# KiCad board CameraBoard.kicad_pcb
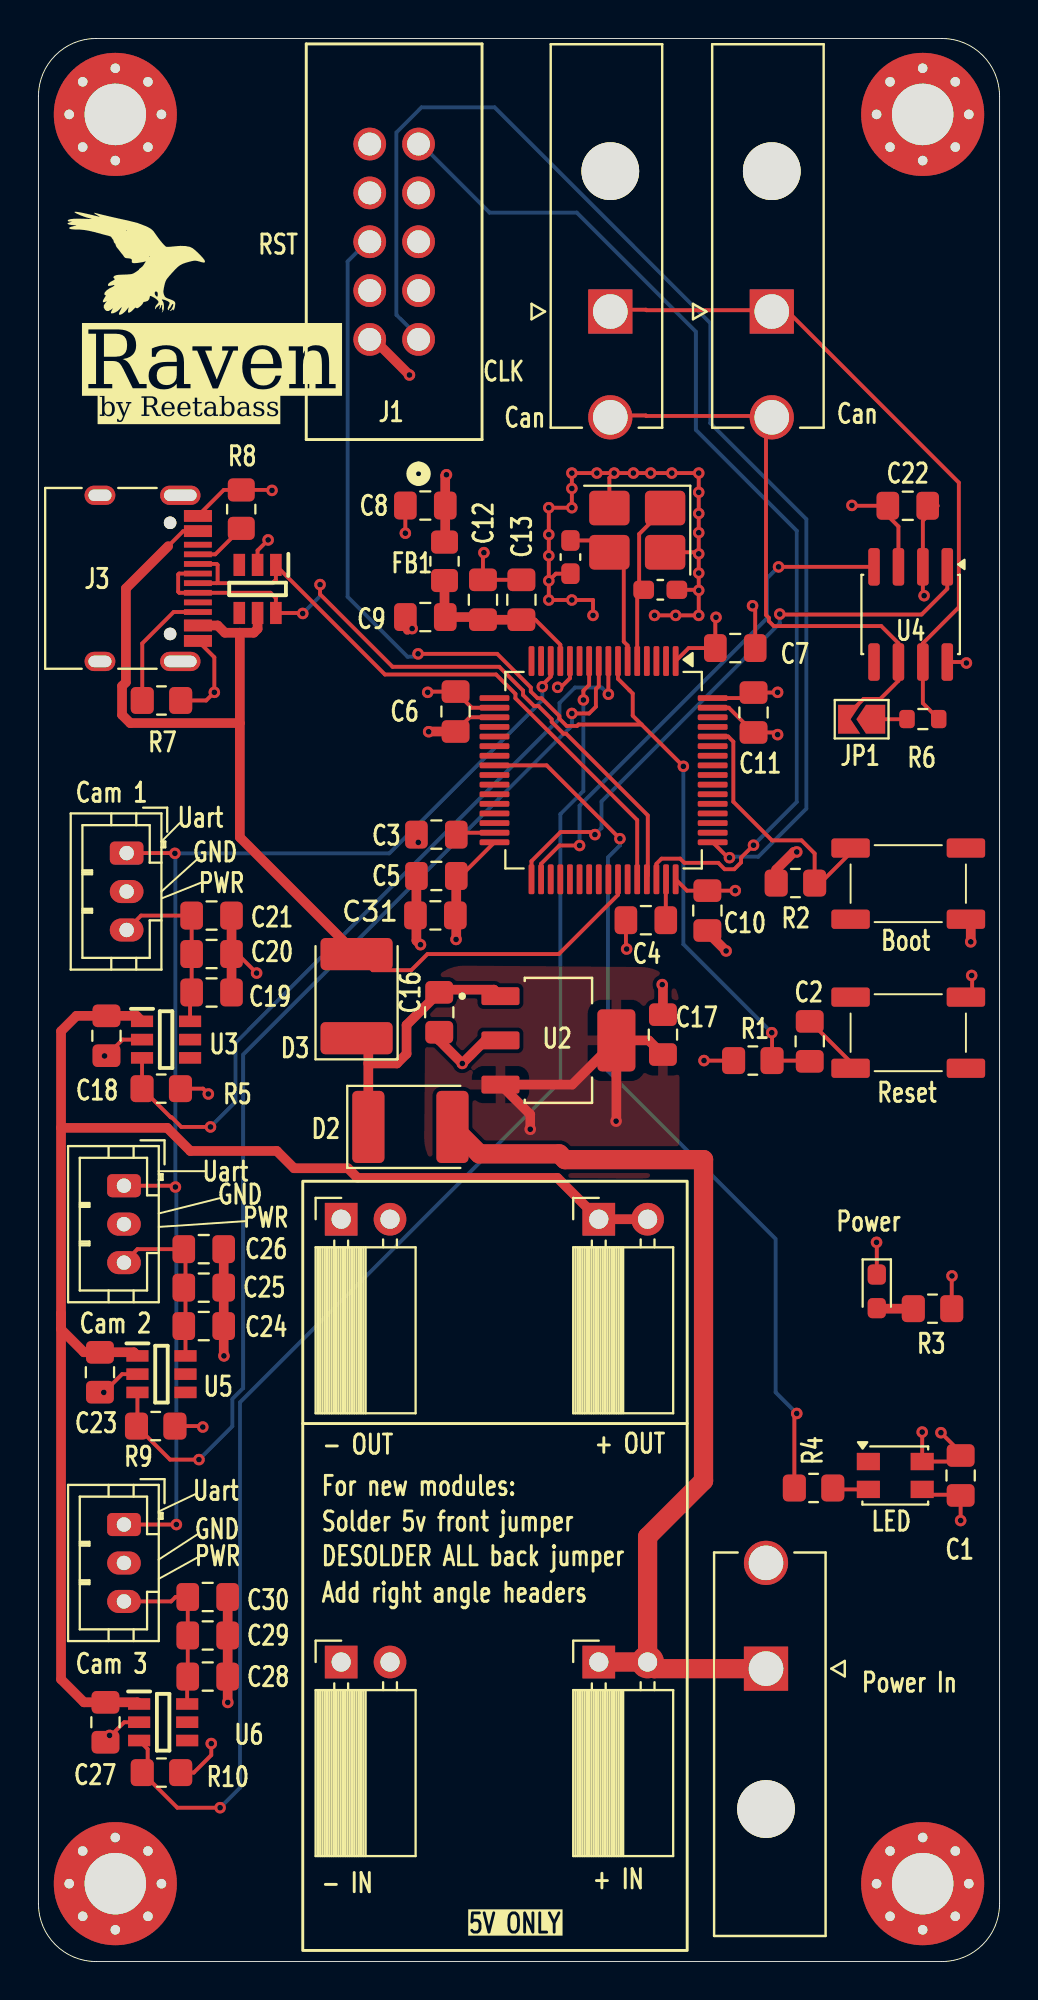
[diagram p0: board, top side]
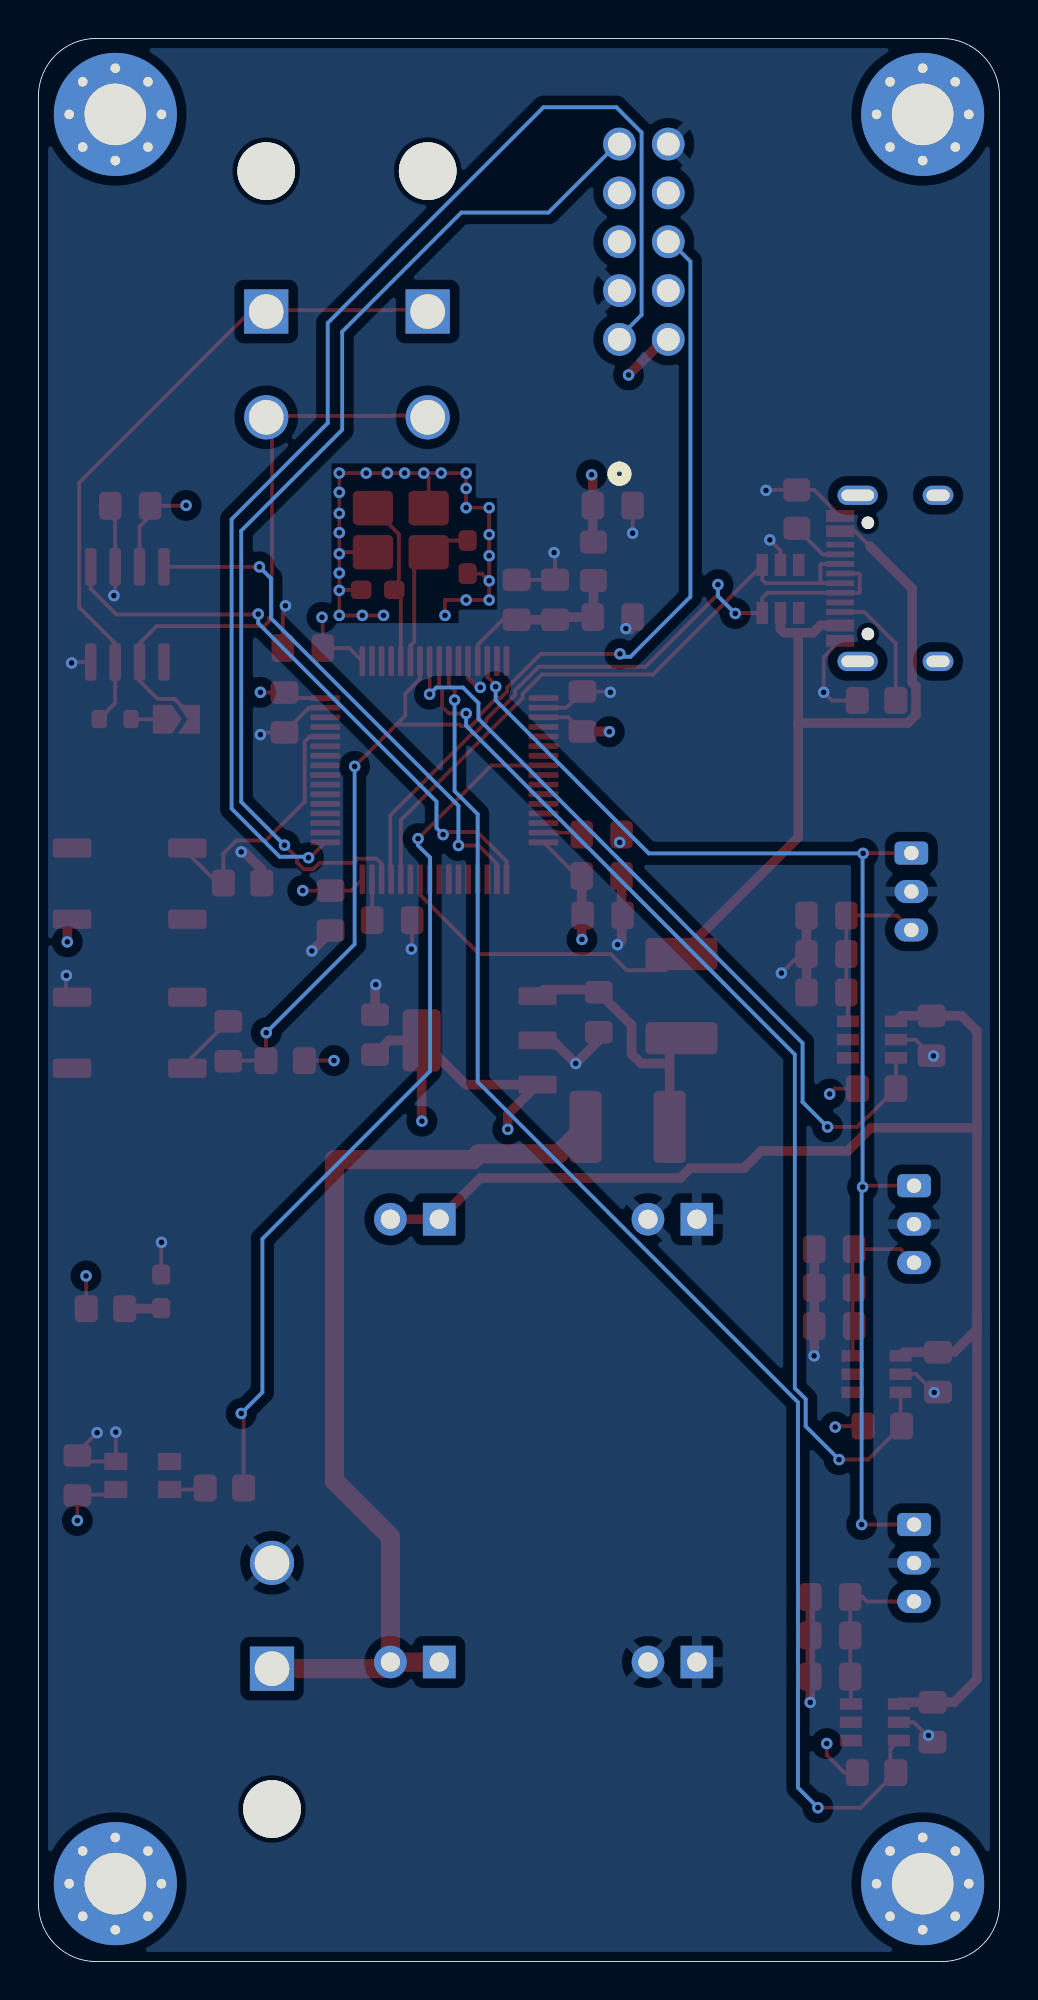
[diagram p1: board, bottom side, seen from below]

Outline 50 x 100 mm; copper layers: Top, In1.Cu, In2.Cu, Bottom. Coordinates in mm from the lower left corner of the outline.
Outline path: 0,97 arc(0.88,99.12) 3,100 47,100 arc(49.12,99.12) 50,97 50,3 arc(49.12,0.88) 47,0 3,0 arc(0.88,0.88) 0,3 0,97
Stack: Top 0.035mm / dielectric 0.1mm FR4 er 4.5 / In1.Cu 0.035mm / dielectric 1.24mm FR4 er 4.5 / In2.Cu 0.035mm / dielectric 0.1mm FR4 er 4.5 / Bottom 0.035mm

## Placement (name value [footprint] x y rotation side)
BootSwitch1  -  [SAMZO G4R0015010]  45.25 56.05 180 top
C1  100nf  [C_0805_2012Metric_Pad1.18x1.45mm_HandSolder]  47.97 25.27 270 top
C2  100nf  [C_0805_2012Metric_Pad1.18x1.45mm_HandSolder]  40.12 47.85 90 top
C3  2.2uf  [C_0805_2012Metric_Pad1.18x1.45mm_HandSolder]  20.7 58.6 180 top
C4  2.2uf  [C_0805_2012Metric_Pad1.18x1.45mm_HandSolder]  31.6 54.15 180 top
C5  100nf  [C_0805_2012Metric_Pad1.18x1.45mm_HandSolder]  20.7 56.45 180 top
C6  100nf  [C_0805_2012Metric_Pad1.18x1.45mm_HandSolder]  21.7 65 90 top
C7  100nf  [C_0805_2012Metric_Pad1.18x1.45mm_HandSolder]  36.25 68.3 0 top
C8  1uf  [C_0805_2012Metric_Pad1.18x1.45mm_HandSolder]  20.12 75.71 0 top
C9  100nf  [C_0805_2012Metric_Pad1.18x1.45mm_HandSolder]  20.12 69.91 0 top
C10  100nf  [C_0805_2012Metric_Pad1.18x1.45mm_HandSolder]  34.8 54.65 270 top
C11  100nf  [C_0805_2012Metric_Pad1.18x1.45mm_HandSolder]  37.2 64.95 270 top
C12  1uf  [C_0805_2012Metric_Pad1.18x1.45mm_HandSolder]  23.12 70.81 90 top
C13  100nf  [C_0805_2012Metric_Pad1.18x1.45mm_HandSolder]  25.12 70.81 90 top
C14  18p  [C_0603_1608Metric_Pad1.08x0.95mm_HandSolder]  32.35 71.33 0 top
C15  18p  [C_0603_1608Metric_Pad1.08x0.95mm_HandSolder]  27.68 73.03 270 top
C16  100nf  [C_0805_2012Metric_Pad1.18x1.45mm_HandSolder]  20.85 49.36 270 top
C17  10u  [C_0805_2012Metric_Pad1.18x1.45mm_HandSolder]  32.49 48.2 90 top
C18  1uf  [C_0805_2012Metric_Pad1.18x1.45mm_HandSolder]  3.54 48.14 270 top
C19  1uf  [C_0805_2012Metric_Pad1.18x1.45mm_HandSolder]  9.01 50.39 0 top
C20  47uf  [C_0805_2012Metric_Pad1.18x1.45mm_HandSolder]  9.01 52.39 0 top
C21  100nf  [C_0805_2012Metric_Pad1.18x1.45mm_HandSolder]  9.01 54.39 0 top
C22  100nf  [C_0805_2012Metric_Pad1.18x1.45mm_HandSolder]  45.22 75.7 0 top
C23  1uf  [C_0805_2012Metric_Pad1.18x1.45mm_HandSolder]  3.2 30.64 270 top
C24  1uf  [C_0805_2012Metric_Pad1.18x1.45mm_HandSolder]  8.6 33.04 0 top
C25  47uf  [C_0805_2012Metric_Pad1.18x1.45mm_HandSolder]  8.6 35.04 0 top
C26  100nf  [C_0805_2012Metric_Pad1.18x1.45mm_HandSolder]  8.6 37.04 0 top
C27  1uf  [C_0805_2012Metric_Pad1.18x1.45mm_HandSolder]  3.49 12.44 270 top
C28  1uf  [C_0805_2012Metric_Pad1.18x1.45mm_HandSolder]  8.81 14.82 0 top
C29  47uf  [C_0805_2012Metric_Pad1.18x1.45mm_HandSolder]  8.81 16.96 0 top
C30  100nf  [C_0805_2012Metric_Pad1.18x1.45mm_HandSolder]  8.81 18.96 0 top
C31  4.7u  [C_0805_2012Metric_Pad1.18x1.45mm_HandSolder]  20.65 54.4 180 top
Cam1  Conn_01x03  [JST_PH_B3B-PH-K_1x03_P2.00mm_Vertical]  4.59 57.64 270 top
Cam2  Conn_01x03  [JST_PH_B3B-PH-K_1x03_P2.00mm_Vertical]  4.45 40.34 270 top
Cam3  Conn_01x03  [JST_PH_B3B-PH-K_1x03_P2.00mm_Vertical]  4.45 22.72 270 top
CAN_IN1  2 pin Molex  [MOLEX_26013114]  38.15 85.8 180 top
CAN_OUT1  2 pin Molex  [MOLEX_26013114]  29.75 85.8 180 top
D1  NeoPixel_THT  [LED_Kingbright_AAA3528ESGCT]  44.58 25.27 0 top
D2  D_Schottky  [D_2114_3652Metric]  19.35 43.4 0 top
D3  D_Schottky  [D_2114_3652Metric]  16.55 50.2 90 top
D4  SRV05-4.TCT  [SOT95P280X145-6N]  11.4 71.38 270 top
FB1  FerriteBead  [R_0805_2012Metric_Pad1.20x1.40mm_HandSolder]  21.12 72.81 270 top
G***  -  [LOGO]  5.85 87.9 0 top
J1  Microsemi_FlashPro-JTAG-10  [CONN_7024610XX_MOL]  19.77 84.35 90 top
J3  USB_C_Receptacle_USB2.0_16P  [USB_C_Receptacle_HRO_TYPE-C-31-M-12]  4.25 71.92 270 top
J_BUCK_IN_A1  ~  [PinSocket_1x02_P2.54mm_Horizontal]  15.75 15.57 90 top
J_BUCK_IN_B1  ~  [PinSocket_1x02_P2.54mm_Horizontal]  29.15 15.57 90 top
J_BUCK_OUT_A1  ~  [PinSocket_1x02_P2.54mm_Horizontal]  15.75 38.6 90 top
J_BUCK_OUT_B1  ~  [PinSocket_1x02_P2.54mm_Horizontal]  29.15 38.6 90 top
JP1  SolderJumper_2_Open  [SolderJumper-2_P1.3mm_Open_TrianglePad1.0x1.5mm]  42.83 64.6 180 top
PowerIn1  2 pin Molex  [MOLEX_26013114]  37.85 15.23 0 top
PowerLED1  RLED  [LED_0603_1608Metric_Pad1.05x0.95mm_HandSolder]  43.61 34.85 270 top
R1  10kr  [R_0805_2012Metric_Pad1.20x1.40mm_HandSolder]  37.16 46.85 0 top
R2  100kr  [R_0805_2012Metric_Pad1.20x1.40mm_HandSolder]  39.38 56.08 0 top
R3  1kr  [R_0805_2012Metric_Pad1.20x1.40mm_HandSolder]  46.51 33.95 0 top
R4  330r  [R_0805_2012Metric_Pad1.20x1.40mm_HandSolder]  40.33 24.62 180 top
R5  100kr  [R_0805_2012Metric_Pad1.20x1.40mm_HandSolder]  6.39 45.39 0 top
R6  120r  [R_0603_1608Metric]  46.01 64.61 180 top
R7  5.1kr  [R_0805_2012Metric_Pad1.20x1.40mm_HandSolder]  6.4 65.57 0 top
R8  5.1kr  [R_0805_2012Metric_Pad1.20x1.40mm_HandSolder]  10.55 75.52 90 top
R9  100kr  [R_0805_2012Metric_Pad1.20x1.40mm_HandSolder]  6.1 27.84 0 top
R10  100kr  [R_0805_2012Metric_Pad1.20x1.40mm_HandSolder]  6.4 9.82 0 top
REF**  -  [MountingHole_3.2mm_M3_Pad_Via]  4 4.05 270 top
REF**#2  -  [MountingHole_3.2mm_M3_Pad_Via]  46 4.05 270 top
REF**#3  -  [MountingHole_3.2mm_M3_Pad_Via]  46 96.05 270 top
REF**#4  -  [MountingHole_3.2mm_M3_Pad_Via]  4 96.05 270 top
RSTSwitch1  -  [SAMZO G4R0015010]  45.25 48.3 180 top
U1  STM32F405RGT6  [LQFP-64_10x10mm_P0.5mm]  29.4 61.95 270 top
U2  LDL1117-3.3  [SOT230P700X180-4N]  27.05 47.9 0 top
U3  TPS22917DBVR  [SOT95P280X145-6N]  6.64 47.94 0 top
U4  SN65HVD230  [SOIC-8_3.9x4.9mm_P1.27mm]  45.38 70.05 270 top
U5  TPS22917DBVR  [SOT95P280X145-6N]  6.4 30.54 0 top
U6  TPS22917DBVR  [SOT95P280X145-6N]  6.49 12.44 0 top
Y1  8mhz  [Crystal_SMD_3225-4Pin_3.2x2.5mm_HandSoldering]  31.15 74.43 180 top

## Library data of the parts
BootSwitch1 RSTSwitch1 = -: Description: Push button switch, generic, symbol, four pins; LCSC: C49393646
C1 C2 C5-C7 C9-C11 C13 C21 C26 C30 C31 = -: Description: Unpolarized capacitor; LCSC: C49678; ki_fp_filters: C_*
C3 C4 = -: Description: Unpolarized capacitor; LCSC: C19110; ki_fp_filters: C_*
C8 C12 C18 C19 C23 C24 C27 C28 = -: Description: Unpolarized capacitor; LCSC: C28323; ki_fp_filters: C_*
C14 C15 = -: Description: Unpolarized capacitor; LCSC Part: C1647; LCSC: C53084486; ki_fp_filters: C_*
C16 = -: Description: Unpolarized capacitor; LCSC Part: C28323; LCSC: C49678; ki_fp_filters: C_*
C17 = -: Description: Unpolarized capacitor; LCSC Part: C98192; LCSC: C98192; ki_fp_filters: C_*
C20 C25 C29 = -: Description: Unpolarized capacitor; LCSC: C16780; ki_fp_filters: C_*
C22 = -: Description: Unpolarized capacitor; lcsc: C6565120; LCSC: C49678; ki_fp_filters: C_*
Cam1-Cam3 = -: Description: Generic connector, single row, 01x03, script generated (kicad-library-utils/schlib/autogen/connector/); LCSC: C131339; ki_fp_filters: Connector*:*_1x??_*
CAN_IN1 CAN_OUT1 PowerIn1 = -: Description: Generic connector, single row, 01x02, script generated (kicad-library-utils/schlib/autogen/connector/); LCSC: C17644051; ki_fp_filters: Connector*:*_1x??_*
D1 = -: Datasheet: https://www.adafruit.com/product/1938; Description: RGB LED with integrated controller, 5mm/8mm LED package; LCSC: C2827321; ki_fp_filters: LED*D5.0mm* LED*D8.0mm*
D2 D3 = -: Description: Schottky diode; LCSC: C113936; LCSC Part: C113936; ki_fp_filters: TO-???* *_Diode_* *SingleDiode* D_*
D4 = -: MANUFACTURER_NAME: SEMTECH; MF: UMW; MOUSER_PRICE-STOCK: https://www.mouser.com/Search/Refine.aspx?Keyword=947-SRV05-4.TCT; DESCRIPTION: Semtech SRV05-4.TCT, Uni-Directional TVS Diode Array, 300W, 6-Pin SOT-23; MOUSER_PART_NUMBER: 947-SRV05-4.TCT; Price: None; Package: None; Check_prices: https://www.snapeda.com/parts/SRV05-4.TCT/UMW/view-part/?ref=eda; HEIGHT: 1.45mm; SnapEDA_Link: https://www.snapeda.com/parts/SRV05-4.TCT/UMW/view-part/?ref=snap; Description_1: ESD Suppressors / TVS Diodes SOT-23 5V 4DIODE Low Capacitance; Availability: In Stock; LCSC: C13612
FB1 = -: Description: Ferrite bead; LCSC: C85840; ki_fp_filters: Inductor_* L_* *Ferrite*
J1 = -: Datasheet: https://www.microsemi.com/document-portal/doc_view/129973-lpf-ac386-an; Description: ACTEL FLASH PRO 3/4, JTAG, IDC10 Pinheader Connector; LCSC: C588426; ki_fp_filters: IDC?Header*2x05* Pin?Header*2x05*
J3 = -: Datasheet: https://www.usb.org/sites/default/files/documents/usb_type-c.zip; Description: USB 2.0-only 16P Type-C Receptacle connector; LCSC: C165948; ki_fp_filters: USB*C*Receptacle*
J_BUCK_IN_A1 J_BUCK_IN_B1 J_BUCK_OUT_A1 J_BUCK_OUT_B1 = -: Description: Generic connector, single row, 01x02, script generated (kicad-library-utils/schlib/autogen/connector/); ki_fp_filters: Connector*:*_1x??_*
JP1 = -: Description: Solder Jumper, 2-pole, open; ki_fp_filters: SolderJumper*Open*
PowerLED1 = -: Description: Light emitting diode; Sim.Pins: 1=K 2=A; LCSC: C965799; ki_fp_filters: LED* LED_SMD:* LED_THT:*
R1 = -: Description: Resistor; LCSC: C84376; ki_fp_filters: R_*
R2 R5 R9 R10 = -: Description: Resistor; LCSC: C96346; ki_fp_filters: R_*
R3 = -: Description: Resistor; LCSC: C95781; ki_fp_filters: R_*
R4 = -: Description: Resistor; LCSC: C17630; ki_fp_filters: R_*
R6 = -: Description: Resistor; lcsc: C4353191; LCSC: C114245; ki_fp_filters: R_*
R7 R8 = -: Description: Resistor; LCSC: C27834; ki_fp_filters: R_*
U1 = -: Datasheet: https://www.st.com/resource/en/datasheet/stm32f405rg.pdf; Description: STMicroelectronics Arm Cortex-M4 MCU, 1024KB flash, 192KB RAM, 168 MHz, 1.8-3.6V, 51 GPIO, LQFP64; LCSC: C15742; ki_fp_filters: LQFP*10x10mm*P0.5mm*
U2 = -: LCSC: C435835; LCSC Part: C435835
U3 U5 U6 = -: PARTREV: B; STANDARD: IPC 7351B; MAXIMUM_PACKAGE_HEIGHT: 1.45mm; MANUFACTURER: Texas Instruments; LCSC: C2681320
U4 = -: Datasheet: http://www.ti.com/lit/ds/symlink/sn65hvd230.pdf; Description: CAN Bus Transceivers, 3.3V, 1Mbps, Low-Power capabilities, SOIC-8; lcsc: C12084; LCSC: C1543812; ki_fp_filters: SOIC*3.9x4.9mm*P1.27mm*
Y1 = -: Description: Four pin crystal, GND on pins 2 and 4; LCSC Part: C19723344; LCSC: C49158084; ki_fp_filters: Crystal*

## Footprints (pads in the part's own frame, mm; a bottom-side part is the same pattern mirrored in y, then rotated)
C_0603_1608Metric_Pad1.08x0.95mm_HandSolder
  rrect 1.075x0.95 smd: 1(-0.863,0) 2(0.863,0)
C_0805_2012Metric_Pad1.18x1.45mm_HandSolder
  rrect 1.175x1.45 smd: 1(-1.038,0) 2(1.038,0)
CONN_7024610XX_MOL
  round 1.702 hole 1.194: 1(0,0) 2(2.54,0) 3(5.08,0) 4(7.62,0) 5(10.16,0) 6(0,2.54) 7(2.54,2.54) 8(5.08,2.54) 9(7.62,2.54) 10(10.16,2.54)
Crystal_SMD_3225-4Pin_3.2x2.5mm_HandSoldering
  rrect 2.1x1.8 smd: 1(-1.45,-1.15) 2(1.45,-1.15) 3(1.45,1.15) 4(-1.45,1.15)
D_2114_3652Metric
  rrect 1.675x3.75 smd: 1(-2.188,0) 2(2.188,0)
JST_PH_B3B-PH-K_1x03_P2.00mm_Vertical
  rrect 1.2x1.75 hole 0.75: 1(0,0)
  oval 1.2x1.75 hole 0.75: 2(2,0) 3(4,0)
LED_0603_1608Metric_Pad1.05x0.95mm_HandSolder
  rrect 1.05x0.95 smd: 1(-0.875,0) 2(0.875,0)
LED_Kingbright_AAA3528ESGCT
  rect 1.2x0.9 smd: 1(-1.4,0.725) 2(1.4,0.725) 3(1.4,-0.725) 4(-1.4,-0.725)
LQFP-64_10x10mm_P0.5mm
  rrect 1.55x0.3 smd: 1(-5.675,3.75) 2(-5.675,3.25) 3(-5.675,2.75) 4(-5.675,2.25) 5(-5.675,1.75) 6(-5.675,1.25) 7(-5.675,0.75) 8(-5.675,0.25) 9(-5.675,-0.25) 10(-5.675,-0.75) 11(-5.675,-1.25) 12(-5.675,-1.75) 13(-5.675,-2.25) 14(-5.675,-2.75) 15(-5.675,-3.25) 16(-5.675,-3.75) 33(5.675,-3.75) 34(5.675,-3.25) 35(5.675,-2.75) 36(5.675,-2.25) 37(5.675,-1.75) 38(5.675,-1.25) 39(5.675,-0.75) 40(5.675,-0.25) 41(5.675,0.25) 42(5.675,0.75) 43(5.675,1.25) 44(5.675,1.75) 45(5.675,2.25) 46(5.675,2.75) 47(5.675,3.25) 48(5.675,3.75)
  rrect 0.3x1.55 smd: 17(-3.75,-5.675) 18(-3.25,-5.675) 19(-2.75,-5.675) 20(-2.25,-5.675) 21(-1.75,-5.675) 22(-1.25,-5.675) 23(-0.75,-5.675) 24(-0.25,-5.675) 25(0.25,-5.675) 26(0.75,-5.675) 27(1.25,-5.675) 28(1.75,-5.675) 29(2.25,-5.675) 30(2.75,-5.675) 31(3.25,-5.675) 32(3.75,-5.675) 49(3.75,5.675) 50(3.25,5.675) 51(2.75,5.675) 52(2.25,5.675) 53(1.75,5.675) 54(1.25,5.675) 55(0.75,5.675) 56(0.25,5.675) 57(-0.25,5.675) 58(-0.75,5.675) 59(-1.25,5.675) 60(-1.75,5.675) 61(-2.25,5.675) 62(-2.75,5.675) 63(-3.25,5.675) 64(-3.75,5.675)
MOLEX_26013114
  round 3 hole 3 unplated: (0,-7.3)
  rect 2.3x2.3 hole 1.8: 1(0,0)
  round 2.3 hole 1.8: 2(0,5.5)
MountingHole_3.2mm_M3_Pad_Via
  round 0.8 hole 0.5: 1(-2.4,0) 1(-1.697,1.697) 1(-1.697,-1.697) 1(0,2.4) 1(0,-2.4) 1(1.697,1.697) 1(1.697,-1.697) 1(2.4,0)
  round 6.4 hole 3.2: 1(0,0)
PinSocket_1x02_P2.54mm_Horizontal
  rect 1.7x1.7 hole 1: 1(0,0)
  round 1.7 hole 1: 2(0,-2.54)
R_0603_1608Metric
  rrect 0.8x0.95 smd: 1(-0.825,0) 2(0.825,0)
R_0805_2012Metric_Pad1.20x1.40mm_HandSolder
  rrect 1.2x1.4 smd: 1(-1,0) 2(1,0)
SAMZO G4R0015010
  rrect 2x1 smd: 1(-3,1.85) 2(3,1.85) 3(-3,-1.85) 4(3,-1.85)
SOIC-8_3.9x4.9mm_P1.27mm
  rrect 1.95x0.6 smd: 1(-2.475,1.905) 2(-2.475,0.635) 3(-2.475,-0.635) 4(-2.475,-1.905) 5(2.475,-1.905) 6(2.475,-0.635) 7(2.475,0.635) 8(2.475,1.905)
SolderJumper-2_P1.3mm_Open_TrianglePad1.0x1.5mm
  custom 1.5x1.5 smd: 1(-0.725,0)
  custom 1.15x1.5 smd: 2(0.725,0)
SOT95P280X145-6N
  rect 1.15x0.6 smd: 1(-1.25,0.95) 2(-1.25,0) 3(-1.25,-0.95) 4(1.25,-0.95) 5(1.25,0) 6(1.25,0.95)
SOT230P700X180-4N
  rrect 1.98x0.93 smd: 1(-3.015,2.3) 2(-3.015,0) 3(-3.015,-2.3)
  rrect 1.98x3.23 smd: 4(3.015,0)
USB_C_Receptacle_HRO_TYPE-C-31-M-12
  round 0.65 hole 0.65 unplated: (-2.89,2.6) (2.89,2.6)
  rect 0.6x1.45 smd: A1(-3.25,4.045) A4(-2.45,4.045) A9(2.45,4.045) A12(3.25,4.045) B1(3.25,4.045) B4(2.45,4.045) B9(-2.45,4.045) B12(-3.25,4.045)
  rect 0.3x1.45 smd: A5(-1.25,4.045) A6(-0.25,4.045) A7(0.25,4.045) A8(1.25,4.045) B5(1.75,4.045) B6(0.75,4.045) B7(-0.75,4.045) B8(-1.75,4.045)
  oval 1x2.1 hole 0.6x1.7: S1(-4.32,3.13) S1(4.32,3.13)
  oval 1x1.6 hole 0.6x1.2: S1(-4.32,-1.05) S1(4.32,-1.05)

## Nets
+3.3V: BootSwitch1.1 C1.2 C5.1 C6.1 C7.1 C8.2 C10.1 C11.1 C17.1 C22.1 C31.1 D1.3 FB1.1 J1.6 R1.1 R3.2 R5.2 R9.2 R10.2 U1.1 U1.19 U1.32 U1.48 U1.64 U2.3 U2.4 U4.3
+3.3VA: C9.2 C12.1 C13.1 FB1.2 U1.13
+5V: C18.1 C23.1 C27.1 J_BUCK_OUT_B1.1 J_BUCK_OUT_B1.2 U3.1 U5.1 U6.1
/MCU/VBUS: D3.2 D4.5 J3.A4 J3.A9 J3.B4 J3.B9 U1.42
GND: C1.1 C3.2 C4.2 C5.2 C6.2 C7.2 C8.1 C9.1 C10.2 C11.2 C12.2 C13.2 C14.2 C15.2 C16.2 C17.2 C18.2 C19.2 C20.2 C21.2 C22.2 C23.2 C24.2 C25.2 C26.2 C27.2 C28.2 C29.2 C30.2 C31.2 Cam1.2 Cam2.2 Cam3.2 D1.2 D4.2 J1.2 J1.10 J3.A1 J3.A12 J3.B1 J3.B12 J_BUCK_IN_A1.1 J_BUCK_IN_A1.2 J_BUCK_OUT_A1.1 J_BUCK_OUT_A1.2 PowerIn1.2 PowerLED1.1 R2.1 R7.2 R8.2 RSTSwitch1.3 U1.12 U1.18 U1.63 U2.2 U3.2 U4.2 U4.8 U5.2 U6.2 Y1.2 Y1.4
+BATT: D2.2 J_BUCK_IN_B1.1 J_BUCK_IN_B1.2 PowerIn1.1
/Camera_center/<NO NET>: C28.1 C29.1 C30.1 Cam3.3 U6.6
/Camera_center/CAM_UART_TX: Cam1.1 Cam2.1 Cam3.1 U1.14
/Camera_center/PWN_EN: R10.1 U1.10 U6.3
/Camera_left/<NO NET>: C19.1 C20.1 C21.1 Cam1.3 U3.6
/Camera_left/PWN_EN: R5.1 U1.8 U3.3
/Camera_right/<NO NET>: C24.1 C25.1 C26.1 Cam2.3 U5.6
/Camera_right/PWN_EN: R9.1 U1.9 U5.3
/Can_transceiver/CAN_RX_2: U1.34 U4.4
/Can_transceiver/CAN_TX_2: U1.33 U4.1
/Can_transceiver/CANH: CAN_IN1.1 CAN_OUT1.1 R6.1 U4.7
/Can_transceiver/CANL: CAN_IN1.2 CAN_OUT1.2 JP1.2 U4.6
/MCU/BOOT0: BootSwitch1.4 R2.2 U1.60
/MCU/D+: D4.6 J3.A6 J3.B6 U1.45
/MCU/D-: D4.1 J3.A7 J3.B7 U1.44
/MCU/NRST: C2.1 J1.8 R1.2 U1.7
/MCU/OSC IN: C14.1 U1.5 Y1.1
/MCU/OSC OUT: C15.1 U1.6 Y1.3
/MCU/RGB_DATA: R4.2 U1.24
/MCU/SWCLK: J1.1 U1.49
/MCU/SWDIO: J1.5 U1.46
Net-(C2-Pad2): C2.2 RSTSwitch1.2
Net-(D1-DIN): D1.4 R4.1
Net-(D2-K): C16.1 D2.1 D3.1 U2.1
Net-(J3-CC1): J3.A5 R8.1
Net-(J3-CC2): J3.B5 R7.1
Net-(JP1-A): JP1.1 R6.2
Net-(PowerLED1-A): PowerLED1.2 R3.1
Net-(U1-VCAP_1): C3.1 U1.31
Net-(U1-VCAP_2): C4.1 U1.47

Pads without a net: BootSwitch1 2 3; D1 1; D4 3 4; J1 3 4 7 9; J3 A8 B8 S1; REF** 1; REF**#2 1; REF**#3 1; REF**#4 1; RSTSwitch1 1 4; U1 2 3 4 11 15 16 17 20 21 22 23 25 26 27 28 29 30 35 36 37 38 39 40 41 43 50 51 52 53 54 55 56 57 58 59 61 62; U3 4 5; U4 5; U5 4 5; U6 4 5

## Via types
v1: diameter 0.6, hole 0.3, Top to Bottom, 94 vias

## Routing (per net, layer and track width the routed paths; a pad name or vN(x,y) marks a point on that pad's centre or on a via; arc(x,y) is an arc through that point)
+3.3V: length 61.1
  Top w0.2: R5.2 8.56,45.39 v1(8.84,45.11) ; R10.2 8.08,9.82 8.99,10.73 v1(8.99,11.33) ; U4.3 44.74,74.62 43.66,75.7 42.34,75.7 v1(42.32,75.72) ; R1.1 v1(34.62,46.85) ; 21.97,56.45 U1.32 ; v1(47.97,22.93) 47.97,24.27 46.25,24.27 ; C6.1 22.44,64.7 U1.19 ; v1(8.55,27.79) 8.5,27.84 R9.2 ; U1.1 33.83,68.3 C7.1 35.21,69.86 v1(35.25,69.9) ; U1.64 36.91,65.7 ; v1(36.25,55.69) C10.1 33.74,55.69 U1.48 ; v1(38.45,66) 38.44,65.99 C11.1 ; R3.2 47.51,35.64 v1(47.52,35.65)
  Top w0.5: v1(30.05,43.7) 30.06,43.71 U2.4 ; U2.4 31.75,47.9 C17.1 ; U2.4 27.77,45.6 U2.3 25.59,44.05 v1(25.59,43.28) ; 17.33,84.47 v1(19.3,82.5) ; 21.16,73.85 C8.2 21.16,77.25 v1(21.22,77.31) ; v1(21.72,53.15) 21.74,53.16 C5.1 ; C6.1 20.31,63.96 v1(20.3,63.95) ; 48.5,54.2 v1(48.5,53.02)
+3.3VA: length 9.1
  Top w0.2: U1.13 27.15,68.47 25.85,69.77 C13.1
  Top w0.5: FB1.2 21.12,69.95 ; C9.2 22.99,69.91 ; C12.1 C13.1
+5V: length 80.8
  Top w0.5: 1.17,43.35 1.17,33.71 ; 1.17,43.35 1.17,48.38 1.98,49.18 C18.1 5.1,49.18 U3.1 ; 1.17,43.35 6.7,43.35 7.9,42.15 12.4,42.15 13.3,41.25 16.1,41.25 16.6,40.75 27,40.75 J_BUCK_OUT_B1.1 J_BUCK_OUT_B1.2 ; 1.17,33.71 1.17,14.67 2.37,13.48 C27.1 5.15,13.48 U6.1 ; 1.17,33.71 1.17,32.88 2.37,31.68 C23.1 4.96,31.68 U5.1
/MCU/VBUS: length 57.7
  Top w0.2: U1.42 30.15,55.47 27.07,52.39 20.23,52.39 19.4,51.55 17.39,51.55 D3.2 ; 6.75,73.6 7.52,74.38 J3.A4
  Top w0.5: 10.47,64.4 10.47,58.46 D3.2 ; 10.47,64.4 10.47,69.1 ; 10.47,64.4 4.78,64.4 4.35,64.83 4.35,66.32 4.55,66.52 4.55,71.4 6.75,73.6 ; 10.47,69.1 9.7,69.1 9.32,69.47 J3.A9 ; 10.47,69.1 11.2,69.1 11.4,69.3 D4.5
GND: length 113.8
  Top w0.2: PowerLED1.1 43.61,37.39 v1(43.6,37.4) ; C7.2 37.29,70.36 v1(37.15,70.5) ; 47.97,26.47 v1(46.95,27.5) ; J3.A1 9.64,76.52 R8.2 12.12,76.52 v1(12.15,76.5) ; v1(38.45,63.8) 38.34,63.91 C11.2 35.91,65.2 U1.63 ; 10.36,52.39 v1(11.35,51.4) ; U1.12 27.65,66.73 27.18,66.26 v1(27.01,66.26) ; v1(48.55,51.27) 48.58,51.25 48.58,50.15 ; v1(29.95,77.4) 29.7,77.15 Y1.2 ; v1(46.08,71.02) 46.01,71.09 U4.2 46.01,74.92 46.79,75.7 ; v1(48.27,67.52) 48.22,67.57 U4.8 ; C9.1 19.09,69.17 19.14,69.11 19.24,69.11 v1(19.44,69.31) ; U5.2 4.35,30.54 v1(3.4,29.59) ; D4.2 11.4,73.38 v1(11.95,73.92) ; 3.49,11.47 4.46,12.44 U6.2 ; v1(20.25,66) 20.29,66.04 C6.2 22.54,65.2 U1.18 ; v1(30.6,52.65) 30.56,52.69 C4.2 ; v1(34.35,71.3) 34.32,71.33 C14.2 ; R7.2 8.72,65.57 v1(9.15,66) 9.15,67.82 J3.A12 ; U3.2 4.38,47.94 C18.2 ; v1(26.55,71.8) 26.92,72.17 C15.2 ; 47.7,26 45.97,26 v1(45.97,27.53) ; v1(34.35,73.2) 34.27,73.28 Y1.4 ; v1(19.09,74.27) C8.1 ; v1(28.85,70) 28.85,70.8 v1(26.55,70.8) v1(26.55,75.6) v1(27.75,75.6) v1(27.75,77.4) v1(34.35,77.4) v1(34.35,70) v1(32.05,70) ; v1(23.17,73.26) 23.12,73.21 C12.2 C13.2
  Top w0.5: R2.1 38.38,56.78 39.3,57.7 v1(39.45,57.7) ; v1(9.65,31.49) 9.64,31.51 C24.2 C26.2 ; v1(32.45,50.8) 32.49,50.76 C17.2 ; C19.2 C21.2 ; 21.05,48.36 20.89,48.36 20.85,48.32 20.85,47.9 v1(22.05,46.7) 23.25,47.9 U2.2 ; C30.2 C28.2 9.84,13.48 v1(9.85,13.47) ; 34.8,53.52 v1(35.77,52.55) ; v1(19.87,52.88) 19.66,53.09 C5.2
  Bottom w0.2: v1(48.27,67.52) 48.35,67.6
  vias: v1(3.44,47.09) v1(3.7,11.76) v1(19.76,58.2) v1(26.55,74.2) v1(26.55,73.1) v1(27.75,76.6) v1(27.75,70.8) v1(29.05,77.4) v1(30.95,77.4) v1(31.85,77.4) v1(32.95,77.4) v1(33.15,70) v1(34.35,76.4) v1(34.35,75.3) v1(34.35,74.3) v1(34.35,72.2)
+BATT: length 49.9
  Top w1: D2.2 22.94,42 27.09,42 27.39,41.7 34.6,41.7 34.6,25 31.69,22.09 J_BUCK_IN_B1.2 ; J_BUCK_IN_B1.1 J_BUCK_IN_B1.2 ; J_BUCK_IN_B1.2 32.03,15.23 PowerIn1.1
/Camera_center/<NO NET>: length 8.9
  Top w0.2: Cam3.3 6.9,18.72 7.13,18.96 C30.1 C29.1 C28.1 ; U6.6 7.74,14.79
/Camera_center/CAM_UART_TX: length 67.5
  Top w0.2: Cam3.1 v1(7.17,22.72) ; Cam1.1 7.08,57.64 v1(7.1,57.62) ; v1(26.21,66.29) 26.21,66.38 26.65,66.82 U1.14 ; Cam2.1 7.06,40.34 v1(7.12,40.27)
  Bottom w0.2: v1(7.17,22.72) 7.17,40.22 v1(7.12,40.27) 7.12,57.6 v1(7.1,57.62) 18.25,57.62 26.21,65.59 v1(26.21,66.29)
/Camera_center/PWN_EN: length 74
  Top w0.2: v1(28.35,65.6) 28.35,66.08 28.65,66.38 U1.10 ; v1(9.45,8) 7.22,8 R10.1 ; U6.3 5.68,11.05 5.68,10.11
  Bottom w0.2: v1(9.45,8) 10.49,9.04 10.49,29.08 27.15,45.75 27.15,59.67 28.35,60.87 v1(28.35,65.6)
/Camera_left/<NO NET>: length 9.1
  Top w0.2: Cam1.3 5.34,54.39 C21.1 C20.1 C19.1 ; U3.6 7.89,50.31
/Camera_left/PWN_EN: length 39.9
  Top w0.2: U1.8 v1(29.65,65.9) ; U3.3 5.39,45.79 ; v1(8.95,43.4) 7.43,43.4 6.93,43.9 6.88,43.9 R5.1
  Bottom w0.2: v1(8.95,43.4) 10.25,44.7 10.25,47.77 27.11,64.62 27.11,65.44 27.92,66.25 29.3,66.25 v1(29.65,65.9)
/Camera_right/<NO NET>: length 8.9
  Top w0.2: U5.6 7.65,36.96 ; Cam2.3 5.15,37.04 C26.1
/Camera_right/PWN_EN: length 56.5
  Top w0.2: v1(27.75,64.9) 28.65,64.9 29,65.25 29,66.17 29.15,66.32 U1.9 ; U5.3 5.15,27.89 ; v1(8.35,26.1) 6.84,26.1 R9.1
  Bottom w0.2: v1(27.75,64.9) 27.75,64.27 27.62,64.13 ; 27.62,64.13 27.7,64.22 ; 27.62,64.13 10.65,47.17 10.65,29.81 10.09,29.25 10.09,27.84 v1(8.35,26.1)
/Can_transceiver/CAN_RX_2: length 26.9
  Top w0.2: U4.4 38.51,72.52 v1(38.5,72.52) ; v1(28.15,58.03) 27.1,58.03 26.15,57.08 U1.34
  Bottom w0.2: v1(28.15,58.03) 28.15,60.1 37.9,69.85 37.9,71.92 v1(38.5,72.52)
/Can_transceiver/CAN_TX_2: length 30.8
  Top w0.2: v1(38.57,70.07) 38.59,70.05 45.94,70.05 47.28,71.38 U4.1 ; U1.33 25.65,57.22 27.17,58.74 28.81,58.74 v1(28.95,58.6)
  Bottom w0.2: v1(28.95,58.6) 29.29,58.94 29.29,60.32 38.57,69.6 v1(38.57,70.07)
/Can_transceiver/CANH: length 35.3
  Top w0.2: 29.75,85.89 31.6,85.89 31.62,85.87 38.92,85.87 47.88,76.91 47.88,70.42 46.01,68.55 U4.7 46.01,65.43 R6.1
/Can_transceiver/CANL: length 31.4
  Top w0.2: 38.58,80.37 31.62,80.37 31.6,80.39 29.75,80.39 ; 37.85,79.64 37.85,70.02 38,69.87 38,69.7 38.25,69.45 43.84,69.45 44.74,68.55 U4.6 44.74,66.6 43.8,65.66 42.92,65.66 42.1,64.83
/MCU/BOOT0: length 13.8
  Top w0.2: R2.2 40.38,57.62 39.7,58.3 38.16,58.3 36.15,60.31 36.15,63.43 35.88,63.7 U1.60 ; 40.68,56.08 42.5,57.9
/MCU/D+: length 36.9
  Top w0.2: v1(13.75,70.1) 13.72,70.12 D4.6 12.35,70.9 12.08,71.17 J3.B6 7.33,71.17 7.27,71.23 7.27,72.13 7.32,72.17 J3.A6 ; v1(14.65,71.6) 14.65,71.1 18.42,67.33 23.97,67.33 25.21,66.09 25.21,65.86 25.78,65.29 26.01,65.29 26.7,64.6 26.7,64.47 27.32,63.85 27.45,63.85 31.7,59.6 31.7,56.45
  Bottom w0.2: v1(14.65,71.6) 14.65,71 v1(13.75,70.1)
/MCU/D-: length 34.4
  Top w0.2: 12.35,72.6 18.02,66.93 23.81,66.93 24.81,65.92 24.81,65.69 31.15,59.35 U1.44 ; J3.B7 9.27,72.67 9.32,72.63 9.32,71.72 9.27,71.67 ; D4.1 12.35,71.85 12.17,71.67 9.27,71.67 ; 9.27,71.67 J3.A7
/MCU/NRST: length 63.5
  Top w0.2: 40.09,46.85 R1.2 38.16,48.28 v1(38.15,48.3) ; v1(19.75,68) 23.87,68 25.61,66.25 25.61,66.04 25.96,65.69 26.17,65.69 27.1,64.77 27.1,64.63 27.48,64.25 28.02,64.25 28.09,64.32 31.38,64.32 ; 31.38,64.32 30.92,64.78 30.92,65.93 30.75,66.1 30.15,66.7 U1.7 ; 31.38,64.32 v1(33.55,62.15)
  Bottom w0.2: v1(33.55,62.15) 33.55,52.9 v1(38.15,48.3) ; v1(19.75,68) 19.6,67.85 19.2,67.85 16.08,70.97 16.08,88.4 17.23,89.55
/MCU/OSC IN: length 7.9
  Top w0.2: Y1.1 31.25,74.23 31.25,71.57 ; 31.15,70.99 U1.5
/MCU/OSC OUT: length 6.4
  Top w0.2: C15.1 29.09,73.89 ; 30.45,72.53 30.45,68.63 30.65,68.43 U1.6
/MCU/RGB_DATA: length 46.2
  Top w0.2: v1(39.45,28.5) 39.33,28.38 R4.2 ; U1.24 26.44,62.2 v1(30.25,58.39)
  Bottom w0.2: v1(39.45,28.5) 38.35,29.6 38.35,37.57 29.62,46.3 29.62,57.41 30.25,58.03 v1(30.25,58.39)
/MCU/SWCLK: length 66.2
  Top w0.2: U1.49 35.88,57.4 v1(35.95,57.4)
  Bottom w0.2: 19.77,84.47 18.62,85.63 18.62,95.11 19.93,96.42 23.73,96.42 34.95,85.2 34.95,80 39.95,75 39.95,59.95 37.45,57.45 36,57.45 v1(35.95,57.4)
/MCU/SWDIO: length 55.2
  Top w0.2: U1.46 32.15,57.08 32.42,57.35 33.38,57.35 33.6,57.13 35.37,57.13 35.7,56.8 36.2,56.8 36.55,57.15 36.55,57.4 v1(37.2,58.05)
  Bottom w0.2: v1(37.2,58.05) 39.45,60.3 39.45,74.4 34.2,79.65 34.2,84.75 28.01,90.94 23.47,90.94 19.77,94.63
Net-(C2-Pad2): length 3.4
  Top w0.2: 40.14,48.89 42.58,46.45
Net-(D1-DIN): length 1.8
  Top w0.2: D1.4 41.4,24.55
Net-(D2-K): length 14.3
  Top w0.5: D3.1 17.16,47.4 17.16,46.7 ; U2.1 23.7,50.54 20.99,50.54 19.15,48.7 19.15,47.2 18.65,46.7 17.16,46.7 ; D2.1 17.16,46.7
Net-(J3-CC1): length 2.8
  Top w0.2: R8.1 9.2,73.17 J3.A5
Net-(J3-CC2): length 6.5
  Top w0.2: R7.1 5.4,68.54 7.03,70.17 J3.B5
Net-(JP1-A): length 1.6
  Top w0.2: JP1.1 45.17,64.6
Net-(PowerLED1-A): length 1.9
  Top w0.5: R3.1 43.64,33.95
Net-(U1-VCAP_1): length 1.9
  Top w0.2: 21.84,58.7 U1.31
Net-(U1-VCAP_2): length 2.1
  Top w0.2: C4.1 32.64,56.26

## Copper pours and planes (outline as drawn; the poured copper is in the pictures)
+3.3V on Top: 20.15,51.8 33.35,51.7 33.35,40.7 20.05,40.8
+3.3V on In2.Cu: -33.45,105.5 -40.85,-15.8 122.85,-16.7 121.45,105.7 -33.45,106.3 -33.15,106.5
GND on Bottom: 121.05,107.1 123.95,-15.8 -40.05,-18.3 -33.95,107.1
GND on In1.Cu: -34.35,106.5 121.25,106.3 123.15,-17.4 -41.25,-16.1

## Text on the board
F.Silkscreen: Can | Power | Power In | LED | Reset | Boot | Cam 1 | Cam 3 | Cam 2 | Uart | GND | PWR | RST | For new modules: | Solder 5v front jumper | DESOLDER ALL back jumper | Add right angle headers | - IN | - OUT | CLK | + IN | + OUT | 5V ONLY | by Reetabass | Raven
